# Altium PCB RTM_SFP_no-teardrops.PcbDoc (part 5 of 7) (continued)
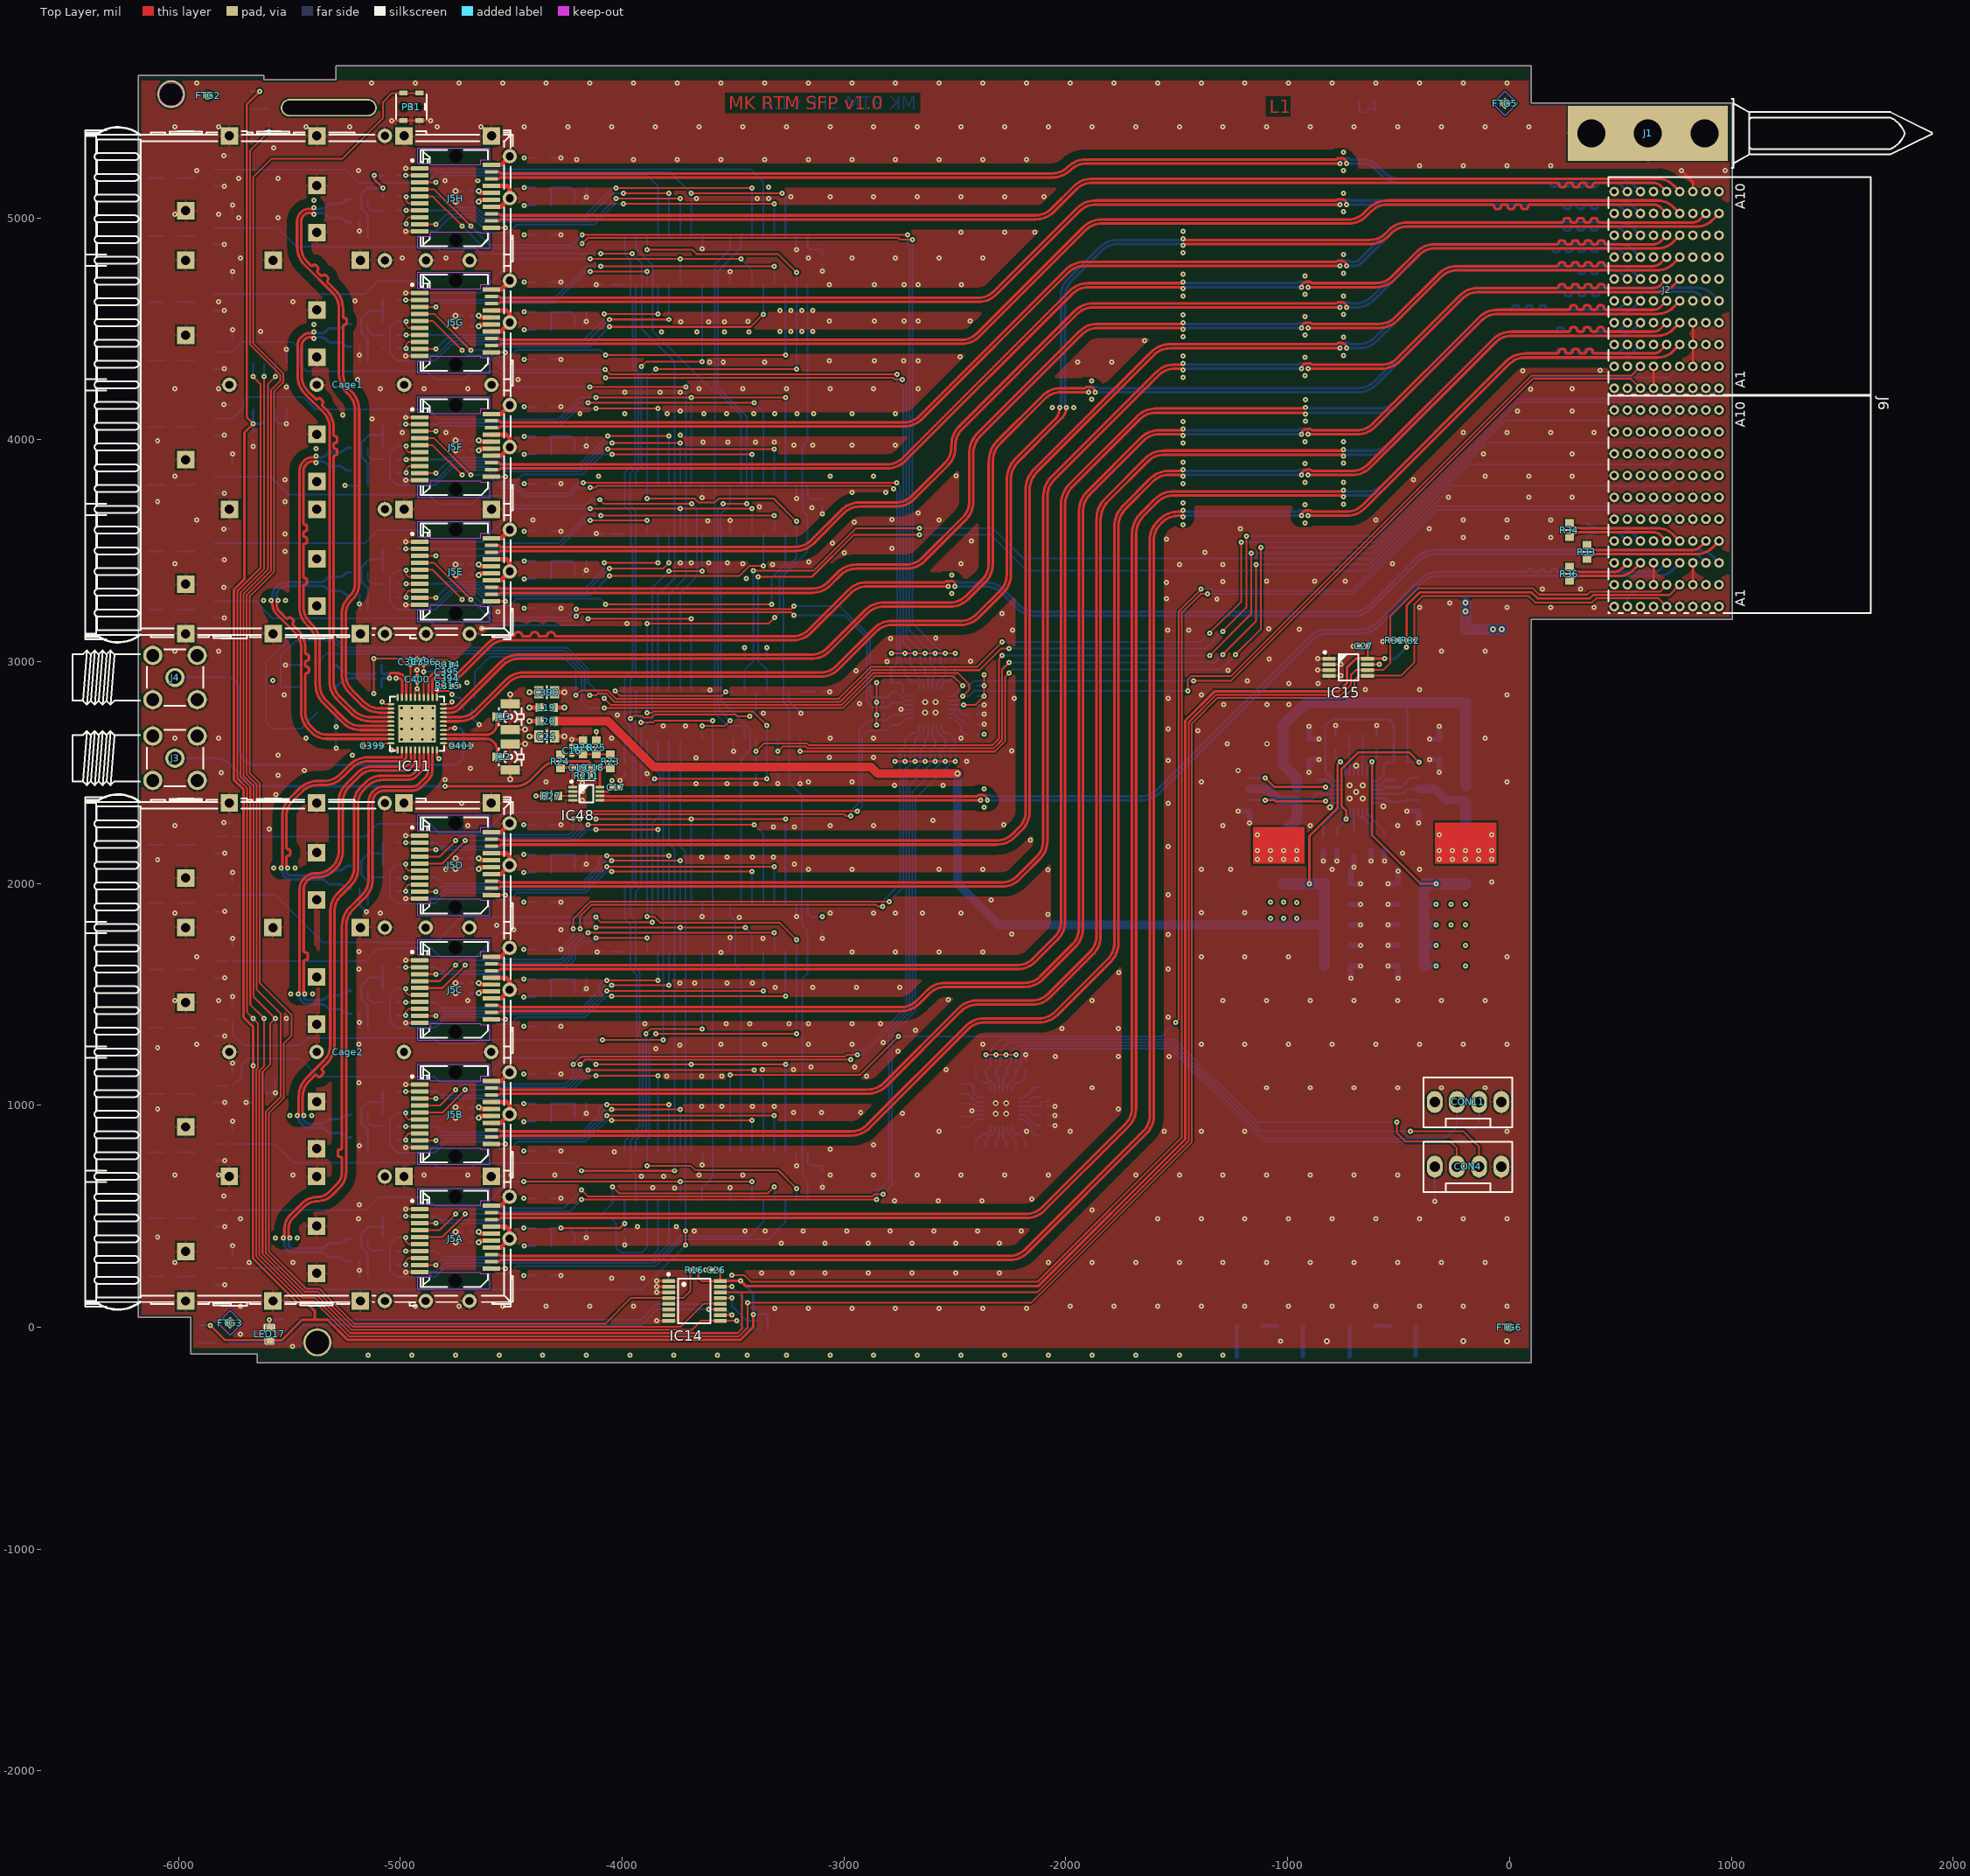
[diagram p0: Top Layer view]
## Nets (pads, with @x,y where several pads share a name; then routed paths per layer and width w, separated by ;. In a path a pad name is that pad's centre, name@x,y a point inside that pad or via, vN(x,y) a via of type N, cw(c..) or ccw(c..) an arc to the next point about the centre after c; other vN are vias at no path point) (continued)
SFP6TX_N: J2.F5 J5C.19 | length 7560.1
  Top Layer w12: J5C.19@-4590.14,1638.83 -4554.35,1638.83 -4547.61,1632.08 -2219.18,1632.08 ccw(c-2219.18,1732.08) -2148.47,1661.37 -2050.79,1759.06 ccw(c-2121.5,1829.77) -2021.5,1829.77 -2021.5,3707 cw(c-1887.59,3707) -1982.28,3801.69 -1678.07,4105.89 cw(c-1595.34,4023.16) -1595.34,4140.16 -925.89,4140.16 v1(-920.08,4145.97)
  Bottom Layer w12: v1(-920.08,4145.97) -914.27,4140.16 -590.11,4140.16 ccw(c-590.11,4240.16) -519.39,4169.45 -137.86,4550.99 cw(c-54.69,4467.82) -54.69,4585.43 3.11,4585.43 ccw(c3.11,4595.28) 12.95,4595.28 ; 12.95,4595.47 cw(c22.01,4595.47) 22.01,4604.52 33.62,4604.52 cw(c33.62,4595.47) 42.68,4595.47 ccw(c52.71,4595.47) 52.71,4585.43 64.14,4585.43 ccw(c64.14,4595.47) 74.17,4595.47 cw(c83.23,4595.47) 83.23,4604.52 94.84,4604.52 cw(c94.84,4595.47) 103.9,4595.47 ccw(c113.93,4595.47) 113.93,4585.43 125.55,4585.43 ccw(c125.55,4595.47) 135.59,4595.47 cw(c144.65,4595.47) 144.65,4604.53 156.26,4604.53 cw(c156.26,4595.47) 165.31,4595.47 ccw(c175.35,4595.47) 175.16,4585.43 470.04,4585.43 ccw(c470.04,4635.91) 505.73,4600.22 J2.F5@531.5,4625.98
SFP6TX_P: J2.E5 J5C.18 | length 7559.3
  Top Layer w12: J5C.18@-4590.14,1607.33 -4554.35,1607.33 -4547.61,1614.08 -2218.39,1614.08 ccw(c-2218.39,1730.17) -2136.31,1648.08 -2037,1747.39 ccw(c-2117.89,1828.27) -2003.5,1828.27 -2003.5,3706.13 cw(c-1885.5,3706.13) -1968.94,3789.57 -1665.64,4092.87 cw(c-1594.93,4022.16) -1594.93,4122.16 -925.89,4122.16 v1(-920.08,4116.35)
  Bottom Layer w12: v1(-920.08,4116.35) -914.27,4122.16 -589.84,4122.16 ccw(c-589.84,4239.53) -506.85,4156.53 -125.24,4538.14 cw(c-54.53,4467.43) -54.53,4567.43 490.58,4567.43 ccw(c490.58,4667.43) 561.29,4596.72 J2.E5@590.55,4625.98
SFP7RX_N: J2.D4 J5B.12 | length 8012.7
  Top Layer w12: J5B.12@-4590.14,857.33 -4554.35,857.33 -4547.61,864.08 -2967.35,864.08 ccw(c-2967.35,980.85) -2884.78,898.28 -2438.33,1344.73 cw(c-2367.62,1274.02) -2367.62,1374.02 -2119.32,1374.02 ccw(c-2119.32,1491.37) -2036.34,1408.39 -1797.85,1646.88 ccw(c-1880.78,1729.81) -1763.5,1729.81 -1763.5,3606.72 cw(c-1645.5,3606.72) -1728.94,3690.16 ; -1728.93,3690.16 -1607.33,3811.77 cw(c-1536.62,3741.06) -1536.62,3841.06 -1477.07,3841.06 v1(-1471.26,3835.24) ; v1(-937.33,3841.06) cw(c-913.52,3841.06) -913.52,3864.87 -897.54,3864.87 -891.73,3859.06 -709.53,3859.06 ccw(c-709.53,3959.06) -638.82,3888.34 -74.51,4452.65 cw(c8.43,4369.71) 8.43,4487.01 265.75,4487.01 ; 263.98,4487.01 ccw(c263.78,4497.05) 273.82,4497.05 cw(c283.66,4497.05) 283.66,4506.89 293.7,4506.89 cw(c293.7,4497.05) 303.54,4497.05 ccw(c313.58,4497.05) 313.58,4487.01 325.2,4487.01 ccw(c325,4497.05) 335.04,4497.05 cw(c344.88,4497.05) 344.88,4506.89 354.92,4506.89 cw(c354.92,4497.05) 364.76,4497.05 ccw(c374.8,4497.05) 374.8,4487.01 386.42,4487.01 ccw(c386.22,4497.05) 396.26,4497.05 cw(c406.1,4497.05) 406.1,4506.89 416.14,4506.89 cw(c416.14,4497.05) 425.98,4497.05 ccw(c436.02,4497.05) 436.02,4487.01 647.2,4487.01 ccw(c647.2,4537.48) 682.89,4501.79 J2.D4@708.66,4527.56
  Bottom Layer w12: v1(-1471.26,3835.24) -1465.45,3841.06 v1@-943.14,3841.06
SFP7RX_P: J2.C4 J5B.13 | length 8013
  Top Layer w12: J5B.13@-4590.14,888.83 -4554.35,888.83 -4547.61,882.08 -2967.86,882.08 ccw(c-2967.86,982.08) -2897.15,911.37 -2450.98,1357.53 cw(c-2367.73,1274.28) -2367.73,1392.02 -2119.59,1392.02 ccw(c-2119.59,1492.02) -2048.88,1421.31 -1810.79,1659.4 ccw(c-1881.5,1730.11) -1781.5,1730.11 -1781.5,3607.24 cw(c-1646.74,3607.24) -1742.03,3702.52 -1619.94,3824.61 cw(c-1536.79,3741.46) -1536.79,3859.06 -1477.07,3859.06 v1(-1471.26,3864.87) ; v1(-907.41,3841.06) -709.34,3841.06 ccw(c-709.34,3958.6) -626.23,3875.48 -61.99,4439.72 cw(c8.72,4369.01) 8.72,4469.01 667.74,4469.01 ccw(c667.74,4569.01) 738.45,4498.3 J2.C4@767.72,4527.56
  Bottom Layer w12: v1(-1471.26,3864.87) -1465.45,3859.06 -953,3859.06 -947.19,3864.87 -931.22,3864.87 cw(c-931.22,3841.06) v1(-907.41,3841.06)
SFP7TX_N: J2.F4 J5B.19 | length 7744.4
  Top Layer w12: J5B.19@-4590.14,1077.8 -4554.35,1077.8 -4547.61,1071.06 -2892.02,1071.06 ccw(c-2892.02,1171.06) -2821.31,1100.34 -2482.97,1438.68 cw(c-2402.5,1358.21) -2402.5,1472.02 -2152.73,1472.02 ccw(c-2152.73,1572.02) -2082.01,1501.31 -1890.79,1692.53 ccw(c-1961.5,1763.24) -1861.5,1763.24 -1861.5,3644.11 ; -1861.26,3644.11 cw(c-1734.95,3644.11) -1824.26,3733.43 -1640.78,3916.91 cw(c-1558.99,3835.12) -1558.99,3950.79 -754.24,3950.79 v1(-748.43,3956.6)
  Bottom Layer w12: v1(-748.43,3956.6) -742.61,3950.79 -618.2,3950.79 ccw(c-618.2,4050.79) -547.49,3980.08 -74.97,4452.6 cw(c8.1,4369.53) 8.1,4487.01 205.08,4487.01 ccw(c205.08,4497.04) 215.11,4497.04 cw(c224.57,4497.04) 224.57,4506.49 235.39,4506.49 cw(c235.39,4497.04) 244.84,4497.04 ccw(c254.87,4497.04) 254.87,4487.01 266.31,4487.01 ccw(c266.31,4497.04) 276.34,4497.04 cw(c285.79,4497.04) 285.79,4506.49 296.61,4506.49 cw(c296.61,4497.04) 306.06,4497.04 ccw(c316.1,4497.04) 316.1,4487.01 327.52,4487.01 ccw(c327.52,4497.05) 337.56,4497.05 cw(c347.01,4497.05) 347.01,4506.49 357.83,4506.49 cw(c357.83,4497.05) 367.28,4497.05 ccw(c377.32,4497.05) 377.13,4487.01 470.04,4487.01 ccw(c470.04,4537.48) 505.73,4501.79 J2.F4@531.5,4527.56
SFP7TX_P: J2.E4 J5B.18 | length 7744
  Top Layer w12: J5B.18@-4590.14,1046.31 -4554.35,1046.31 -4547.61,1053.06 -2891.23,1053.06 ccw(c-2891.23,1169.15) -2809.14,1087.06 -2471.47,1424.73 cw(c-2400.76,1354.02) -2400.76,1454.02 -2151.74,1454.02 ccw(c-2151.74,1569.63) -2069.99,1487.88 -1876.76,1681.11 ccw(c-1957.05,1761.4) -1843.5,1761.4 -1843.5,3640.05 ; -1843.31,3640.05 cw(c-1725.31,3640.05) -1808.75,3723.48 -1628.73,3903.5 cw(c-1558.02,3832.79) -1558.02,3932.79 -754.24,3932.79 v1(-748.43,3926.98) v1@-748.43,3929.24
  Bottom Layer w12: v1(-748.43,3926.98) -742.61,3932.79 -617.97,3932.79 ccw(c-617.97,4050.23) -534.93,3967.19 -62.39,4439.72 cw(c8.32,4369.01) 8.32,4469.01 490.58,4469.01 ccw(c490.58,4569.01) 561.29,4498.3 J2.E4@590.55,4527.56
SFP8RX_N: J2.D3 J5A.12 | length 8634.2
  Top Layer w12: J5A.12@-4590.14,296.31 -4554.35,296.31 -4547.61,303.05 -2253.41,303.05 ccw(c-2253.41,417.54) -2172.46,336.59 -1637.75,871.3 ccw(c-1720.44,953.99) -1603.5,953.99 -1603.5,3547.9 cw(c-1503.5,3547.9) -1574.21,3618.61 -1564.78,3628.04 cw(c-1494.07,3557.33) -1494.07,3657.33 -1477.2,3657.33 v1(-1471.39,3651.52) ; v1(-937.46,3657.33) cw(c-913.65,3657.33) -913.65,3681.14 -897.67,3681.14 -891.86,3675.33 -734.07,3675.33 ccw(c-734.07,3775.33) -663.36,3704.62 -13.57,4354.41 cw(c68.93,4271.91) 68.93,4388.58 213.59,4388.58 ccw(c213.39,4398.62) 223.43,4398.62 cw(c233.27,4398.62) 233.27,4408.46 243.31,4408.46 cw(c243.31,4398.62) 253.15,4398.62 ccw(c263.19,4398.62) 263.19,4388.58 274.81,4388.58 ccw(c274.61,4398.62) 284.65,4398.62 cw(c294.49,4398.62) 294.49,4408.46 304.53,4408.46 cw(c304.53,4398.62) 314.37,4398.62 ccw(c324.41,4398.62) 324.41,4388.58 336.03,4388.58 ccw(c335.83,4398.62) 345.87,4398.62 cw(c355.71,4398.62) 355.71,4408.46 365.75,4408.46 cw(c365.75,4398.62) 375.59,4398.62 ccw(c385.63,4398.62) 385.63,4388.58 647.2,4388.58 ccw(c647.2,4439.05) 682.89,4403.37 J2.D3@708.66,4429.13
  Bottom Layer w12: v1(-1471.39,3651.52) -1465.58,3657.33 v1(-937.46,3657.33)
SFP8RX_P: J2.C3 J5A.13 | length 8630.4
  Top Layer w12: J5A.13@-4590.14,327.8 -4554.35,327.8 -4547.61,321.05 -2254.87,321.05 ccw(c-2254.87,421.05) -2184.16,350.34 -1650.79,883.72 ccw(c-1721.5,954.43) -1621.5,954.43 -1621.5,3548.19 cw(c-1504.19,3548.19) -1587.14,3631.14 -1577.02,3641.25 cw(c-1494.76,3558.99) -1494.76,3675.33 -1477.2,3675.33 v1(-1471.39,3681.14) ; v1(-907.54,3657.33) -733.7,3657.33 ccw(c-733.7,3774.44) -650.89,3691.63 -1.23,4341.29 cw(c69.48,4270.58) 69.48,4370.58 667.74,4370.58 ccw(c667.74,4470.58) 738.45,4399.87 J2.C3@767.72,4429.13
  Bottom Layer w12: v1(-1471.39,3681.14) -1465.58,3675.33 -953.13,3675.33 -947.32,3681.14 -931.35,3681.14 cw(c-931.35,3657.33) v1(-907.54,3657.33)
SFP8TX_N: J2.F3 J5A.19 | length 8360.5
  Top Layer w12: J5A.19@-4590.14,516.78 -4554.35,516.78 -4547.61,510.03 -2179.03,510.03 ccw(c-2179.03,610.03) -2108.32,539.32 -1730.79,916.85 ccw(c-1801.5,987.56) -1701.5,987.56 -1701.5,3574.29 cw(c-1567.2,3574.29) -1662.16,3669.25 -1598.32,3733.09 cw(c-1515.68,3650.45) -1515.68,3767.32 -755.02,3767.32 v1(-749.21,3773.13)
  Bottom Layer w12: v1(-749.21,3773.13) -743.4,3767.32 -642.07,3767.32 ccw(c-642.07,3867.32) -571.36,3796.61 -13.81,4354.16 cw(c69.29,4271.06) 69.29,4388.58 205.08,4388.58 ccw(c205.09,4398.61) 215.12,4398.61 cw(c224.57,4398.61) 224.57,4408.06 235.39,4408.06 cw(c235.39,4398.61) 244.84,4398.61 ccw(c254.87,4398.61) 254.87,4388.58 266.31,4388.58 ccw(c266.31,4398.62) 276.34,4398.62 cw(c285.79,4398.62) 285.79,4408.06 296.61,4408.06 cw(c296.61,4398.62) 306.06,4398.62 ccw(c316.1,4398.62) 316.1,4388.58 327.52,4388.58 ccw(c327.52,4398.62) 337.56,4398.62 cw(c347.01,4398.62) 347.01,4408.07 357.83,4408.07 cw(c357.83,4398.62) 367.28,4398.62 ccw(c377.32,4398.62) 377.13,4388.58 470.04,4388.58 ccw(c470.04,4439.05) 505.73,4403.37 J2.F3@531.5,4429.13
SFP8TX_P: J2.E3 J5A.18 | length 8360.4
  Top Layer w12: J5A.18@-4590.14,485.28 -4554.35,485.28 -4547.61,492.03 -2178.24,492.03 ccw(c-2178.24,608.13) -2096.15,526.03 -1717.94,904.24 ccw(c-1801.09,987.39) -1683.5,987.39 -1683.5,3573.59 cw(c-1565.5,3573.59) -1648.94,3657.02 -1585.93,3720.03 cw(c-1515.21,3649.32) -1515.21,3749.32 -755.02,3749.32 v1(-749.21,3743.51) v1@-749.21,3745.78
  Bottom Layer w12: v1(-749.21,3743.51) -743.4,3749.32 -641.7,3749.32 ccw(c-641.7,3866.41) -558.9,3783.62 -1.23,4341.29 cw(c69.48,4270.58) 69.48,4370.58 490.58,4370.58 ccw(c490.58,4470.58) 561.29,4399.87 J2.E3@590.55,4429.13
SFP_CLK1.CLOCK_N: IC11.13 IC20H.4 R105H.2 | length 2754.5
  Top Layer w10: -5064.25,2770.13 -5063.41,2769.29 IC11.13@-5042.52,2769.29
  Top Layer w12: -5449.21,5023.62 ccw(c-5409.29,4983.7) -5465.75,4983.7 -5465.75,4870.46 ccw(c-5348.19,4870.46) -5431.32,4787.33 -5305.95,4661.97 cw(c-5376.66,4591.26) -5276.66,4591.26 -5276.66,4295.8 ccw(c-5160.11,4295.8) -5242.52,4213.39 -5233.23,4204.09 cw(c-5303.94,4133.38) -5203.94,4133.38 -5203.94,3353.97 cw(c-5288.62,3353.97) -5228.74,3294.09 -5234.65,3288.18 ccw(c-5162.44,3215.96) -5264.57,3215.96 -5264.57,2941.56 ccw(c-5148.88,2941.56) -5230.69,2859.76 ; -5448.82,5024.02 -5446.58,5026.26 cw(c-5412.2,4991.89) -5412.2,5040.5 -5395.97,5040.5 v1(-5390.16,5046.31) ; -5230.68,2859.75 -5174.84,2803.91 ; -5174.83,2803.91 ccw(c-5093.29,2885.46) -5093.29,2770.13 -5064.25,2770.13
  Bottom Layer w12: v1(-5390.16,5046.31) -5384.35,5040.5 -5359.18,5040.5 ccw(c-5359.18,5077.69) -5332.89,5051.39 -5325.71,5058.56 cw(c-5315,5047.85) -5315,5062.99 -5275.03,5062.99 ccw(c-5275.03,5089.2) -5256.5,5070.67 -5252.28,5074.88 cw(c-5233.46,5056.06) -5233.46,5082.68 IC20H.4@-5221.65,5082.68
SFP_CLK1.CLOCK_P: IC11.12 IC20H.3 R105H.1 | length 2754.9
  Top Layer w10: -5064.25,2788.13 -5063.41,2788.98 IC11.12@-5042.52,2788.98
  Top Layer w12: -5433.86,5013.52 -5436.32,5011.06 ccw(c-5408.72,4983.46) -5447.75,4983.46 -5447.75,4870.64 ccw(c-5347.75,4870.64) -5418.46,4799.93 -5404.75,4786.22 ccw(c-5399.04,4791.93) -5393.34,4786.22 cw(c-5387.35,4780.24) -5381.37,4786.22 -5372.6,4777.45 cw(c-5378.58,4771.47) -5372.6,4765.48 ccw(c-5366.89,4759.78) -5372.6,4754.07 -5359.26,4740.74 ccw(c-5353.56,4746.44) -5347.85,4740.74 cw(c-5341.87,4734.75) -5335.88,4740.74 -5327.11,4731.97 cw(c-5333.1,4725.98) -5327.11,4720 ccw(c-5321.41,4714.29) -5327.11,4708.58 -5293.16,4674.64 cw(c-5376.46,4591.34) -5258.66,4591.34 -5258.66,4556.1 ccw(c-5250.59,4556.1) -5250.59,4548.03 cw(c-5250.59,4539.56) -5242.13,4539.56 -5242.13,4527.16 cw(c-5250.59,4527.16) -5250.59,4518.7 ccw(c-5250.59,4510.63) -5258.66,4510.63 -5258.66,4296.4 ccw(c-5158.66,4296.4) -5229.37,4225.69 -5219.54,4215.86 cw(c-5300.66,4134.74) -5185.94,4134.74 -5185.94,3350.8 cw(c-5283.17,3350.8) -5214.42,3282.04 -5221.03,3275.42 ccw(c-5159.39,3213.78) -5246.57,3213.78 -5246.57,2942.52 ccw(c-5146.57,2942.52) -5217.28,2871.81 -5162.9,2817.42 ccw(c-5092.18,2888.13) -5092.18,2788.13 -5064.25,2788.13 ; -5433.84,5013.54 cw(c-5412.19,4991.85) -5412.19,5022.5 -5395.97,5022.5 v1(-5390.16,5016.69)
  Bottom Layer w12: v1(-5390.16,5016.69) -5384.35,5022.5 -5358.96,5022.5 cw(c-5358.96,4985.86) -5333.06,5011.78 -5325.73,5004.45 ccw(c-5315,5015.18) -5315,5000 -5276.98,5000 cw(c-5276.98,4969.08) -5255.12,4990.94 -5252,4987.83 ccw(c-5233.86,5005.98) -5233.86,4980.32 IC20H.3@-5221.65,4980.32
SFP_CLK2.CLOCK_N: IC11.15 IC20G.4 R105G.2 | length 2224.2
  Top Layer w10: -5064.2,2730.71 -5063.41,2729.92 IC11.15@-5042.52,2729.92
  Top Layer w12: v1(-5390.16,4485.68) -5395.97,4479.87 -5409.84,4479.87 ccw(c-5409.84,4432.53) -5443.31,4466 -5449.76,4459.56 ccw(c-5416.17,4425.97) -5463.67,4425.97 -5463.67,4288.65 ccw(c-5346.32,4288.65) -5429.3,4205.68 -5348.58,4124.96 cw(c-5419.29,4054.25) -5319.29,4054.25 -5319.29,2911.03 ccw(c-5202.7,2911.03) -5285.15,2828.59 ; -5285.14,2828.58 -5226.26,2769.7 ccw(c-5132.13,2863.83) -5132.13,2730.71 -5064.2,2730.71
  Bottom Layer w12: v1(-5390.16,4485.68) -5384.35,4479.87 -5359.18,4479.87 ccw(c-5359.18,4517.06) -5332.89,4490.76 -5325.71,4497.93 cw(c-5315,4487.22) -5315,4502.36 -5275.03,4502.36 ccw(c-5275.03,4528.57) -5256.5,4510.04 -5252.28,4514.25 ; -5252.26,4514.27 cw(c-5233.46,4495.44) -5233.46,4522.05 IC20G.4@-5221.65,4522.05
SFP_CLK2.CLOCK_P: IC11.14 IC20G.3 R105G.1 | length 2223.3
  Top Layer w10: -5064.2,2748.82 -5063.41,2749.61 IC11.14@-5042.52,2749.61
  Top Layer w12: v1(-5390.16,4456.06) -5395.97,4461.87 -5407.44,4461.87 ccw(c-5407.44,4426.73) -5432.28,4451.57 -5433.84,4450.02 ccw(c-5405.25,4421.45) -5445.67,4421.45 -5445.67,4288.92 ccw(c-5345.67,4288.92) -5416.38,4218.21 -5383.01,4184.84 ccw(c-5377.3,4190.55) -5371.59,4184.84 cw(c-5365.61,4178.86) -5359.62,4184.84 -5350.85,4176.07 cw(c-5356.84,4170.09) -5350.85,4164.1 ccw(c-5345.15,4158.4) -5350.85,4152.69 -5335.49,4137.33 cw(c-5418.07,4054.76) -5301.29,4054.76 -5301.29,4023.31 ccw(c-5293.22,4023.31) -5293.22,4015.24 cw(c-5293.22,4006.78) -5284.76,4006.78 -5284.76,3994.38 cw(c-5293.22,3994.38) -5293.22,3985.91 ccw(c-5293.22,3977.84) -5301.29,3977.84 -5301.29,3967.12 ccw(c-5293.22,3967.12) -5293.22,3959.05 cw(c-5293.22,3950.59) -5284.76,3950.59 -5284.76,3938.19 cw(c-5293.22,3938.19) -5293.22,3929.72 ccw(c-5293.22,3921.65) -5301.29,3921.65 -5301.29,2911.61 ccw(c-5201.29,2911.61) -5272,2840.9 -5214.48,2783.37 ccw(c-5131.04,2866.82) -5131.04,2748.82 -5064.2,2748.82
  Bottom Layer w12: v1(-5390.16,4456.06) -5384.35,4461.87 -5358.96,4461.87 cw(c-5358.96,4425.23) -5333.06,4451.15 -5325.73,4443.82 ccw(c-5315,4454.55) -5315,4439.37 -5276.98,4439.37 cw(c-5276.98,4408.45) -5255.12,4430.31 -5252,4427.2 ccw(c-5233.86,4445.35) -5233.86,4419.69 IC20G.3@-5221.65,4419.69
SFP_CLK3.CLOCK_N: IC11.17 IC20F.4 R105F.2 | length 1714.5
  Top Layer w10: -5064.2,2691.34 -5063.41,2690.55 IC11.17@-5042.52,2690.55
  Top Layer w12: v1(-5379.53,3926.62) -5385.34,3920.81 -5396.46,3920.81 ccw(c-5396.46,3867.78) -5433.94,3905.3 -5437.29,3901.95 ccw(c-5392.54,3857.24) -5455.8,3857.24 -5455.8,3248.1 ccw(c-5338.45,3248.1) -5421.42,3165.13 -5410.67,3154.38 cw(c-5481.39,3083.67) -5381.39,3083.67 -5381.39,2893.33 ccw(c-5267.33,2893.33) -5347.99,2812.69 -5261.01,2725.71 ccw(c-5178.02,2808.7) -5178.02,2691.34 -5064.2,2691.34
  Bottom Layer w12: v1(-5379.53,3926.62) -5373.72,3920.81 -5359.18,3920.81 ccw(c-5359.18,3958) -5332.89,3931.7 ; -5332.87,3931.72 -5325.71,3938.88 cw(c-5315,3928.16) -5315,3943.31 -5275.03,3943.31 ccw(c-5275.03,3969.52) -5256.5,3950.98 -5252.28,3955.2 ; -5252.26,3955.22 cw(c-5233.46,3936.38) -5233.46,3962.99 IC20F.4@-5221.65,3962.99
SFP_CLK3.CLOCK_P: IC11.16 IC20F.3 R105F.1 | length 1714.3
  Top Layer w10: -5064.2,2709.45 -5063.41,2710.24 IC11.16@-5042.52,2710.24
  Top Layer w12: v1(-5379.53,3897) -5385.34,3902.81 -5396.46,3902.81 ccw(c-5396.46,3867.78) -5421.22,3892.56 -5424.4,3889.38 ccw(c-5392,3857.01) -5437.8,3857.01 -5437.8,3625.29 ccw(c-5429.72,3625.29) -5429.72,3617.22 cw(c-5429.72,3608.75) -5421.26,3608.75 -5421.26,3596.35 cw(c-5429.72,3596.35) -5429.72,3587.89 ccw(c-5429.72,3579.82) -5437.79,3579.82 -5437.8,3569.1 ccw(c-5429.72,3569.1) -5429.72,3561.03 cw(c-5429.72,3552.56) -5421.26,3552.56 -5421.26,3540.16 cw(c-5429.72,3540.16) -5429.72,3531.7 ccw(c-5429.72,3523.63) -5437.8,3523.63 -5437.8,3384.45 ccw(c-5429.72,3384.45) -5429.72,3376.38 cw(c-5429.72,3367.91) -5421.26,3367.91 -5421.26,3355.51 cw(c-5429.72,3355.51) -5429.72,3347.04 ccw(c-5429.72,3338.97) -5437.8,3338.98 -5437.8,3248.37 ccw(c-5337.8,3248.37) -5408.51,3177.66 -5397.43,3166.58 cw(c-5479.61,3084.4) -5363.39,3084.4 -5363.39,2894.96 ccw(c-5263.39,2894.96) -5334.1,2824.25 -5248.58,2738.74 ccw(c-5177.87,2809.45) -5177.87,2709.45 -5064.2,2709.45
  Bottom Layer w12: v1(-5379.53,3897) -5373.72,3902.81 -5358.96,3902.81 cw(c-5358.96,3866.17) -5333.06,3892.09 -5325.73,3884.76 ccw(c-5315,3895.5) -5315,3880.32 -5276.98,3880.32 cw(c-5276.98,3849.4) -5255.12,3871.26 -5252,3868.14 ccw(c-5233.86,3886.29) -5233.86,3860.63 IC20F.3@-5221.65,3860.63
SFP_CLK4.CLOCK_N: IC11.19 IC20E.4 R105E.2 | length 1450.4
  Top Layer w10: -5064.2,2651.97 -5063.41,2651.18 IC11.19@-5042.52,2651.18
  Top Layer w12: v1(-5582.08,3276.77) -5576.27,3270.96 -5576.27,3257.87 ccw(c-5512.32,3257.87) -5557.54,3212.66 -5476.42,3131.54 cw(c-5547.13,3060.83) -5447.13,3060.83 -5447.13,2775.17 ccw(c-5330.36,2775.17) -5412.93,2692.59 -5401.6,2681.26 ccw(c-5330.88,2751.97) -5335.58,2652.08 ; -5335.58,2651.97 -5064.2,2651.97
  Bottom Layer w12: v1(-5582.08,3276.77) -5576.27,3282.58 -5576.27,3301.57 cw(c-5528.48,3301.57) -5562.27,3335.37 -5560,3337.64 cw(c-5507.48,3285.13) -5507.48,3359.39 -5359.18,3359.39 ccw(c-5359.18,3396.58) -5332.89,3370.29 -5325.71,3377.46 cw(c-5315,3366.74) -5315,3381.89 R105E.2@-5295.28,3381.89 -5275.03,3381.89 ccw(c-5275.03,3408.1) -5256.5,3389.57 -5252.28,3393.78 cw(c-5233.46,3374.96) -5233.46,3401.58 IC20E.4@-5221.65,3401.58
SFP_CLK4.CLOCK_P: IC11.18 IC20E.3 R105E.1 | length 1449.9
  Top Layer w10: -5064.2,2670.08 -5063.41,2670.87 IC11.18@-5042.52,2670.87
  Top Layer w12: v1(-5552.46,3276.77) -5558.27,3270.96 -5558.27,3257.87 ccw(c-5512.32,3257.87) -5544.81,3225.38 -5515.81,3196.39 ccw(c-5510.1,3202.09) -5504.4,3196.39 cw(c-5498.41,3190.4) -5492.43,3196.39 -5483.66,3187.62 cw(c-5489.64,3181.63) -5483.66,3175.65 ccw(c-5477.95,3169.94) -5483.66,3164.23 -5463.49,3144.06 cw(c-5546.42,3061.13) -5429.13,3061.13 -5429.13,3041.45 ccw(c-5421.06,3041.45) -5421.06,3033.38 cw(c-5421.06,3024.91) -5412.6,3024.91 -5412.6,3012.51 cw(c-5421.06,3012.51) -5421.06,3004.04 ccw(c-5421.06,2995.97) -5429.13,2995.98 -5429.13,2985.26 ccw(c-5421.06,2985.26) -5421.06,2977.19 cw(c-5421.06,2968.72) -5412.6,2968.72 -5412.6,2956.32 cw(c-5421.06,2956.32) -5421.06,2947.86 ccw(c-5421.06,2939.78) -5429.13,2939.79 -5429.13,2775.67 ccw(c-5329.13,2775.67) -5399.84,2704.96 -5389.02,2694.14 ccw(c-5330.93,2752.23) -5330.93,2670.08 -5064.2,2670.08
  Bottom Layer w12: v1(-5552.46,3276.77) -5558.27,3282.58 -5558.27,3298.82 cw(c-5521.82,3298.82) -5547.61,3324.57 ; -5547.53,3324.65 cw(c-5507.02,3284.02) -5507.02,3341.39 -5358.96,3341.39 cw(c-5358.96,3304.75) -5333.06,3330.68 -5325.73,3323.34 ccw(c-5315,3334.08) -5315,3318.9 R105E.1@-5295.28,3318.9 -5276.98,3318.9 cw(c-5276.98,3287.98) -5255.12,3309.84 -5252.01,3306.73 ccw(c-5233.86,3324.88) -5233.86,3299.21 IC20E.3@-5221.65,3299.21
SFP_CLK5.CLOCK_N: IC11.23 IC20D.4 R105D.2 | length 1285.3
  Top Layer w10: -4974.46,2580.24 -4973.62,2581.08 IC11.23@-4973.62,2601.97
  Top Layer w12: v1(-5507.97,2070.08) -5513.78,2075.89 -5513.78,2116.93 cw(c-5505.71,2116.93) -5505.71,2125 ; -5505.71,2154.33 cw(c-5505.71,2162.4) -5513.78,2162.4 -5513.78,2302.39 cw(c-5413.78,2302.39) -5484.49,2373.1 -5443.46,2414.13 cw(c-5372.75,2343.42) -5372.75,2443.42 -5344.03,2443.42 ccw(c-5344.03,2561.38) -5260.62,2477.97 -5217.76,2520.82 cw(c-5147.05,2450.11) -5147.05,2550.11 -4996.39,2550.11 ccw(c-4996.39,2572.09) -4974.41,2572.09 -4974.41,2580.18 ; -5504.92,2125 ccw(c-5504.92,2133.46) -5496.46,2133.46 -5496.46,2145.86 ccw(c-5504.92,2145.86) -5504.92,2154.33 ; -4974.46,2572.83 -4974.46,2580.24
  Bottom Layer w12: v1(-5507.97,2070.08) -5513.78,2064.27 -5513.78,2054.33 ccw(c-5496.01,2054.33) -5496.01,2036.56 -5359.18,2036.56 ccw(c-5359.18,2073.75) -5332.89,2047.45 ; -5332.87,2047.46 -5325.71,2054.62 cw(c-5315,2043.91) -5315,2059.06 -5275.03,2059.06 ccw(c-5275.03,2085.26) -5256.5,2066.73 -5252.28,2070.95 ; -5252.26,2070.96 cw(c-5233.46,2052.13) -5233.46,2078.74 IC20D.4@-5221.65,2078.74
SFP_CLK5.CLOCK_P: IC11.22 IC20D.3 R105D.1 | length 1286.1
  Top Layer w10: -4993.31,2571.65 IC11.22@-4993.31,2601.97
  Top Layer w12: v1(-5537.59,2070.08) -5531.78,2075.89 -5531.78,2303.77 cw(c-5417.1,2303.77) -5498.19,2384.85 -5455.72,2427.32 cw(c-5373.41,2345.01) -5373.41,2461.42 -5344.04,2461.42 ccw(c-5344.04,2561.42) -5273.33,2490.71 -5230.1,2533.94 cw(c-5147.6,2451.44) -5147.6,2568.11 -4996.85,2568.11 ccw(c-4996.85,2571.65) -4993.31,2571.65
  Bottom Layer w12: v1(-5537.59,2070.08) -5531.78,2064.27 -5531.78,2055.24 ccw(c-5495.1,2055.24) -5495.1,2018.56 -5358.96,2018.56 cw(c-5358.96,1981.92) -5333.06,2007.84 -5325.73,2000.51 ccw(c-5315,2011.24) -5315,1996.06 -5276.98,1996.06 cw(c-5276.98,1965.15) -5255.12,1987.01 -5252.01,1983.89 ccw(c-5233.86,2002.04) -5233.86,1976.38 IC20D.3@-5221.65,1976.38
SFP_CLK6.CLOCK_N: IC11.25 IC20C.4 R105C.2 | length 1716.9
  Top Layer w10: -4935.09,2580.24 -4934.25,2581.08 IC11.25@-4934.25,2601.97
  Top Layer w12: v1(-5430.41,1502.36) -5436.22,1508.17 -5436.22,1647.24 cw(c-5428.15,1647.24) -5428.15,1655.31 -5425.79,1655.31 ccw(c-5425.79,1664.36) -5416.75,1663.78 -5416.75,1680.12 ccw(c-5425.79,1679.53) -5425.79,1688.58 -5428.15,1688.58 cw(c-5428.15,1696.65) -5436.22,1696.65 -5436.22,1973.18 cw(c-5379.76,1973.18) -5419.68,2013.1 ; -5419.65,2013.13 cw(c-5384.52,1977.93) -5384.52,2027.67 -5371.76,2027.67 ccw(c-5371.76,2127.67) -5301.05,2056.96 -5293.59,2064.42 ccw(c-5375.06,2145.89) -5259.84,2145.89 -5259.84,2366.06 cw(c-5159.84,2366.06) -5230.55,2436.77 -5180.91,2486.42 cw(c-5125.98,2431.49) -5125.98,2509.17 -4982.92,2509.17 ccw(c-4982.92,2556.99) -4935.09,2556.99 -4935.09,2580.24
  Bottom Layer w12: v1(-5430.41,1502.36) -5436.22,1496.55 -5436.22,1493.39 ccw(c-5416.06,1493.39) -5430.31,1479.13 ccw(c-5416.88,1492.57) -5416.88,1473.57 -5359.18,1473.57 ccw(c-5359.18,1510.76) -5332.89,1484.46 -5325.71,1491.63 cw(c-5315,1480.92) -5315,1496.06 -5275.03,1496.06 ccw(c-5275.03,1522.27) -5256.5,1503.74 -5252.28,1507.95 ; -5252.26,1507.97 cw(c-5233.46,1489.14) -5233.46,1515.75 IC20C.4@-5221.65,1515.75
SFP_CLK6.CLOCK_P: IC11.24 IC20C.3 R105C.1 | length 1716.8
  Top Layer w10: IC11.24@-4953.94,2601.97 -4953.94,2581.08 -4953.09,2580.24
  Top Layer w12: v1(-5460.03,1502.36) -5454.22,1508.17 -5454.22,1973.26 cw(c-5379.95,1973.26) -5432.5,2025.74 ; -5432.32,2025.92 cw(c-5384.65,1978.24) -5384.65,2045.67 -5378.44,2045.67 ccw(c-5378.44,2143.79) -5309.09,2074.37 ; -5307.13,2076.33 ccw(c-5377.84,2147.04) -5277.84,2147.04 -5277.84,2367.56 cw(c-5163.48,2367.56) -5244.35,2448.43 -5193.63,2499.14 cw(c-5125.98,2431.49) -5125.98,2527.17 -4983.55,2527.17 ccw(c-4983.55,2557.62) -4953.09,2557.62 -4953.09,2580.24
  Bottom Layer w12: v1(-5460.03,1502.36) -5454.22,1496.55 -5454.22,1493.39 ccw(c-5416.06,1493.39) -5443.06,1466.42 ; -5443.02,1466.38 ccw(c-5416.87,1492.57) -5416.87,1455.57 -5358.96,1455.57 cw(c-5358.96,1418.93) -5333.06,1444.85 -5325.73,1437.52 ccw(c-5315,1448.25) -5315,1433.07 -5276.98,1433.07 cw(c-5276.98,1402.15) -5255.12,1424.02 -5252.01,1420.9 ccw(c-5233.86,1439.05) -5233.86,1413.39 IC20C.3@-5221.65,1413.39
SFP_CLK7.CLOCK_N: IC11.27 IC20B.4 R105B.2 | length 2235.7
  Top Layer w10: -4895.72,2580.24 -4894.88,2581.08 IC11.27@-4894.88,2601.97
  Top Layer w12: v1(-5434.46,953.15) -5440.27,958.96 -5440.27,1039.37 cw(c-5340.67,1039.37) -5411.1,1109.79 -5386.93,1133.96 cw(c-5381.22,1128.25) -5375.51,1133.96 -5372.27,1130.72 ccw(c-5365.87,1137.12) -5359.9,1130.31 -5348.34,1141.87 ccw(c-5355.15,1147.84) -5348.75,1154.24 -5351.99,1157.49 cw(c-5346.28,1163.19) -5351.99,1168.9 -5331.93,1188.97 ccw(c-5413.75,1270.79) -5298.03,1270.79 -5298.03,1873.93 cw(c-5198.03,1873.93) -5268.74,1944.64 -5223.87,1989.51 ccw(c-5304.32,2069.96) -5190.55,2069.96 -5190.55,2362.2 cw(c-5107.86,2362.2) -5166.36,2420.65 -5148.8,2438.21 cw(c-5079.17,2368.54) -5079.17,2467.04 -4966.54,2467.04 ccw(c-4966.54,2523.38) -4926.69,2483.54 -4909.4,2500.83 ccw(c-4942.43,2533.86) -4895.72,2533.86 -4895.72,2580.24
  Bottom Layer w12: v1(-5434.46,953.15) -5440.27,947.34 -5440.16,947.23 -5440.16,941.34 ccw(c-5427.54,941.34) -5436.47,932.42 -5431.15,927.1 ccw(c-5405.49,952.77) -5405.49,916.48 -5359.18,916.48 ccw(c-5359.18,953.67) -5332.89,927.37 -5325.71,934.55 cw(c-5315,923.83) -5315,938.98 -5275.03,938.98 ccw(c-5275.03,965.19) -5256.5,946.65 -5252.28,950.87 cw(c-5233.46,932.05) -5233.46,958.66 IC20B.4@-5221.65,958.66